# Allegro board 038RT-9068CJK8E-A100_0921_1.brd (continued)
## Routing (per net, layer and track width the routed paths; a pad name or vN(x,y) marks a point on that pad's centre or on a via; arc(x,y) is an arc through that point) (continued)
S3_P5_HSI-: length 155.9
  L07_SIGNAL w0.1: v1(546.6,252.58) 546.68,252.66 arc(546.76,252.71) 546.84,252.73 547.07,252.73 arc(547.4,252.87) 547.54,253.19 547.54,255.75 arc(547.5,255.94) 547.39,256.11 545.1,258.39 arc(544.7,258.66) 544.23,258.75 495.28,258.75 arc(494.63,258.88) 494.08,259.25 492.91,260.42 arc(492.28,260.84) 491.53,260.99 483.24,260.99 arc(482.59,261.12) 482.03,261.49 478.22,265.31 arc(477.71,265.64) 477.12,265.76 443.72,265.76 arc(442.75,265.57) 441.94,265.03 437.49,260.57 arc(437.34,260.48) 437.18,260.44 427.12,260.44 arc(426.92,260.41) 426.76,260.3 424.35,257.89 arc(424.31,257.86) 424.25,257.85 409.9,257.85 arc(409.85,257.86) 409.81,257.89 409.51,258.18 arc(409.49,258.22) 409.48,258.26 409.48,258.41 arc(409.48,258.41) 409.48,258.41 arc(409.49,258.48) 409.53,258.53 409.6,258.6
  L07_SIGNAL w0.102: 409.6,258.6 409.65,258.66 arc(409.69,258.71) 409.7,258.76 409.7,259.21 arc(409.66,259.4) 409.55,259.57 v4(409.3,259.82)
  BOTTOM w0.105: UNK3K184.11 551.57,252.68 546.7,252.68 v1(546.6,252.58)
S3_P5_HSO+: length 173.3
  L05_SIGNAL w0.1: v1(548.19,255.24) 548.27,255.16 arc(548.35,255.11) 548.44,255.09 549.35,255.09 arc(549.4,255.1) 549.45,255.14 551.03,256.71 arc(551.12,256.86) 551.16,257.04 551.16,257.93 arc(551.08,258.33) 550.86,258.66 550.71,258.81 arc(550.48,258.96) 550.2,259.02 546.55,259.02 arc(546.44,259) 546.35,258.94 546.34,258.92 arc(546.22,258.85) 546.09,258.82 546,258.82 arc(545.86,258.85) 545.75,258.92 545.73,258.94 arc(545.64,259) 545.53,259.02 545.35,259.02 arc(545.24,259) 545.15,258.94 545.13,258.92 arc(545.03,258.85) 544.9,258.83 544.78,258.83 arc(544.65,258.85) 544.55,258.92 544.53,258.94 arc(544.44,259) 544.33,259.02 544.15,259.02 arc(544.04,259) 543.95,258.94 543.93,258.92 arc(543.82,258.85) 543.69,258.82 543.59,258.82 arc(543.46,258.85) 543.35,258.92 543.33,258.94 arc(543.24,259) 543.13,259.02 542.95,259.02 arc(542.84,259) 542.75,258.94 542.73,258.92 arc(542.6,258.83) 542.44,258.8 542.44,258.8 arc(542.28,258.83) 542.15,258.92 542.13,258.94 arc(542.04,259) 541.93,259.02 541.75,259.02 arc(541.64,259) 541.55,258.94 541.53,258.92 arc(541.41,258.84) 541.28,258.82 541.2,258.82 arc(541.06,258.84) 540.94,258.92 540.93,258.94 arc(540.84,259) 540.73,259.02 536.08,259.02 arc(534.25,258.65) 532.7,257.62 529.02,253.94 525.57,250.49 arc(524.53,248.94) 524.17,247.12 524.17,241.67 arc(523.95,240.55) 523.32,239.61 522.6,238.89 arc(521.12,237.9) 519.37,237.55 449.12,237.55 arc(447.49,237.88) 446.11,238.8 427.75,257.16 arc(427.36,257.42) 426.9,257.51 410.72,257.51 arc(410.44,257.57) 410.21,257.72 409.75,258.19 409.69,258.24 arc(409.57,258.41) 409.52,258.6
  L05_SIGNAL w0.102: v4(409.3,259.02) 409.42,258.9 arc(409.49,258.79) 409.51,258.66 arc(409.52,258.63) 409.52,258.6
  BOTTOM w0.105: v1(548.19,255.24) 548.29,255.14 551.57,255.14 UNK3K184.16
S3_P5_HSO-: length 173.3
  L05_SIGNAL w0.1: v1(548.19,254.58) 548.27,254.66 arc(548.35,254.71) 548.44,254.73 549.35,254.73 arc(549.54,254.77) 549.71,254.88 551.28,256.45 arc(551.46,256.72) 551.52,257.04 551.52,257.93 arc(551.42,258.46) 551.11,258.92 550.97,259.06 arc(550.61,259.3) 550.2,259.38 536.08,259.38 arc(534.11,258.99) 532.44,257.87 528.87,254.31 528.87,254.31 525.31,250.74 arc(524.2,249.08) 523.81,247.12 523.81,241.67 arc(523.62,240.69) 523.06,239.87 522.35,239.15 arc(520.98,238.24) 519.37,237.92 449.12,237.92 arc(447.63,238.21) 446.37,239.05 428.01,257.41 arc(427.5,257.76) 426.9,257.88 410.72,257.88 arc(410.58,257.9) 410.46,257.98 410,258.44 409.95,258.5 arc(409.91,258.55) 409.89,258.6
  L05_SIGNAL w0.102: v4(410.1,259.02) 409.92,258.85 arc(409.89,258.8) 409.88,258.74 409.88,258.66 arc(409.88,258.63) 409.89,258.6
  BOTTOM w0.105: v1(548.19,254.58) 548.29,254.68 551.57,254.68 UNK3K184.15
S3_P5_LDOOUT:
  vias: v1(406.9,266.22) v1(406.9,265.42)
S3_P5_LED: length 23.4
  L05_SIGNAL w0.102: v1(409.3,265.42) 409.7,265.02 412.92,265.02
  L05_SIGNAL w0.105: 412.92,265.02 431.03,265.02 v1(432.06,263.99)
S3_P5_MDI+: length 29.7
  TOP w0.105: 379.12,271.94 381.94,271.94 383.49,273.49 383.49,276.29 384.28,277.08 399.12,277.08 401.13,275.07 401.13,273.59 SITE3.A5
  TOP w0.115: UNK3K130.3 379.01,272.05 379.12,271.94
S3_P5_MDI-: length 29.7
  TOP w0.105: 379.12,271.48 382.14,271.48 383.95,273.3 383.95,273.84 384.08,273.97 384.17,273.97 384.29,274.09 384.29,274.26 384.17,274.39 384.08,274.39 383.95,274.51 383.95,274.68 384.08,274.81 384.17,274.81 384.29,274.93 384.29,275.1 384.17,275.23 384.08,275.23 383.95,275.35 383.95,276.09 384.47,276.61 398.93,276.61 400.66,274.87 400.66,273.59 SITE3.A4
  TOP w0.115: 379.12,271.48 379.01,271.37 UNK3K130.6
S3_P5_RXC: length 41.6
  L07_SIGNAL w0.102: v1(412.5,268.62) 412.92,268.62
  L07_SIGNAL w0.105: 412.92,268.62 415.1,268.62 417.51,271.03 423.09,271.03 429.49,277.43 437.07,277.43 437.88,278.24 437.88,280.82 437.22,281.49 435.63,281.49 434.44,282.67 434.44,284.97 v1(436.21,286.73)
  BOTTOM w0.115: UNK3RR924.1 v1(436.21,286.73) UNK3RR934.1
S3_P5_RXD0: length 173.1
  L11_SIGNAL w0.102: v1(412.5,271.02) 412.92,271.02
  L11_SIGNAL w0.105: 412.92,271.02 413.43,271.02 414.29,271.88 425.6,271.88 427.29,273.57 437.73,273.57 438.12,273.19 443.5,273.19 443.88,272.81 476.18,272.81 482.37,266.62 485.06,266.62 488.1,263.58 493.2,263.58 493.39,263.4 498.33,258.46 550.84,258.46 552.09,257.21 555.08,257.21 559.5,252.79 574.13,252.79 v1(574.97,251.96)
  BOTTOM w0.115: UNK3RR930.1 v1(574.97,251.96) UNK3RR920.1
S3_P5_RXD1: length 32.1
  L07_SIGNAL w0.102: v1(411.7,270.22) 412.1,269.82 412.92,269.82
  L07_SIGNAL w0.105: 412.92,269.82 413.15,269.59 415.28,269.59 417.34,271.65 422.76,271.65 429.1,277.98 436.49,277.98 436.72,278.21 436.72,280.12 v1(436.21,280.64)
  BOTTOM w0.115: UNK3RR921.1 v1(436.21,280.64) UNK3RR931.1
S3_P5_RXD2: length 28.3
  L07_SIGNAL w0.102: 412.79,270.48 412.76,270.48 v1(412.5,270.22)
  L07_SIGNAL w0.105: v1(436.21,278.61) 435.61,279.2 429.25,279.2 422.27,272.22 416.24,272.22 414.51,270.48 412.79,270.48
  BOTTOM w0.115: UNK3RR932.1 v1(436.21,278.61) UNK3RR922.1
S3_P5_RXD3: length 36.3
  L15_SIGNAL w0.102: v1(411.7,269.42) 411.3,269.82 411.3,273.84
  L15_SIGNAL w0.105: v1(436.21,288.77) 435.43,287.99 433.47,287.99 421.47,275.99 413.4,275.99 411.3,273.89 411.3,273.84
  BOTTOM w0.115: UNK3RR923.1 v1(436.21,288.77) UNK3RR933.1
S3_P5_RXDV: length 34.9
  L15_SIGNAL w0.102: v1(412.5,269.42) 412.92,269.84
  L15_SIGNAL w0.105: 412.92,269.84 413.72,270.65 418.51,275.43 421.84,275.43 425.49,279.07 431.48,279.07 433.62,281.21 433.62,282.36 434.6,283.35 439.34,283.35 v1(440.02,282.67)
  BOTTOM w0.115: UNK3RR935.1 v1(440.02,282.67) UNK3RR925.1
S3_P5_TXC: length 216.3
  L11_SIGNAL w0.102: v1(411.7,267.02) 412.1,267.42 412.1,268.1 412.22,268.22 412.89,268.22 412.92,268.24
  L11_SIGNAL w0.105: 412.92,268.24 415.82,271.15 425.98,271.15 427.68,272.85 437.48,272.85 438.44,271.89 443.46,271.89 444.33,271.02 476.73,271.02 482.11,265.64 484.91,265.64 487.71,262.84 493.16,262.84 500.43,255.57 546.31,255.57 547.9,257.16 550.58,257.16 551.35,256.39 554.83,256.39 558.99,252.23 568.97,252.23 576.1,245.1 587.2,245.1 590.43,248.33 601.77,248.33 605.65,244.46 605.65,242.71 v1(606.65,241.7)
  BOTTOM w0.115: UNK3RR914.1 v1(606.65,241.7) UNK3RR904.1
S3_P5_TXD0: length 204.5
  L11_SIGNAL w0.102: v1(411.7,266.22) 412.1,266.62 412.83,266.62 412.9,266.7 412.92,266.7
  L11_SIGNAL w0.105: 412.92,266.7 413.85,266.7 416.83,269.68 475.5,269.68 482.33,262.85 485.57,262.85 488.04,260.38 490.35,260.38 496.27,254.46 537.98,254.46 546.18,246.26 572.57,246.26 574.94,243.89 600.4,243.89 v1(602.59,241.7)
  BOTTOM w0.115: UNK3RR910.1 v1(602.59,241.7) UNK3RR900.1
S3_P5_TXD1: length 199.5
  L11_SIGNAL w0.105: v1(600.56,241.7) 599,243.26 564.36,243.26 563.69,243.93 559.06,243.93 557.78,245.21 546.38,245.21 537.7,253.9 493.48,253.9 486.04,261.34 482.4,261.34 477.62,266.12 438.56,266.12 437.74,266.95 415.38,266.95 414.54,266.11 412.61,266.11 v1(412.5,266.22)
  BOTTOM w0.115: UNK3RR901.1 v1(600.56,241.7) UNK3RR911.1
S3_P5_TXD2: length 184.6
  L11_SIGNAL w0.102: v1(411.7,265.42) 412.1,265.02 412.74,265.02 412.78,264.98 412.92,264.98
  L11_SIGNAL w0.105: 412.92,264.98 413.1,264.79 427.8,264.79 428.03,265.01 476.33,265.01 481.22,260.12 485.54,260.12 492.87,252.79 534.39,252.79 543.16,244.02 556.04,244.02 560.07,239.99 582.59,239.99 v1(584.3,241.7)
  BOTTOM w0.115: UNK3RR902.1 v1(584.3,241.7) UNK3RR912.1
S3_P5_TXD3: length 197.6
  L11_SIGNAL w0.105: v1(598.53,241.7) 598.06,242.17 583.09,242.17 582.49,241.57 559.35,241.57 556.28,244.65 543.32,244.65 534.62,253.35 493.25,253.35 491.79,254.81 491.79,254.81 485.81,260.79 481.34,260.79 476.56,265.57 428.88,265.57 428.21,266.24 415.48,266.24 414.79,265.54 412.62,265.54 v1(412.5,265.42)
  BOTTOM w0.115: UNK3RR913.1 v1(598.53,241.7) UNK3RR903.1
S3_P5_TXEN: length 209.3
  L11_SIGNAL w0.102: v1(412.5,267.02) 412.75,267.27 412.92,267.27
  L11_SIGNAL w0.105: v1(604.62,241.7) 603.78,242.55 603.78,244.02 601.8,245.99 588.87,245.99 587.37,244.48 575.13,244.48 571.27,248.35 560.96,248.35 559.42,246.81 546.43,246.81 538.24,255.01 500.2,255.01 494.17,261.04 488.44,261.04 485.86,263.63 482.42,263.63 475.78,270.27 416.64,270.27 413.64,267.27 412.92,267.27
  BOTTOM w0.115: UNK3RR905.1 v1(604.62,241.7) UNK3RR915.1
S3_P5_VDDIO:
  vias: v1(411.7,271.02) v1(411.7,267.82) v1(412.5,267.82) v1(418.28,267.59) v1(418.92,267.59)
S3_P6_CLKREQB: length 332.8
  L46_SIGNAL w0.145: v1(398.1,260.62) 397.62,260.14 383.76,260.14 383.15,259.53 346.68,259.53 344.86,261.35 344.86,300.4 374.03,329.57 374.03,386.71 400.07,412.76 480.54,412.76 485.89,418.11 485.89,422.49 487.16,423.76 492.53,423.76 493.21,423.08 493.21,421.74 UNK3K211.3
S3_P6_HSI+: length 46.4
  L03_SIGNAL w0.185: v4(402.1,259.02) 401.99,258.92 arc(401.94,258.83) 401.91,258.73 401.91,258.06 arc(402.44,256.79) 403.72,256.26 407.73,256.26 arc(407.97,256.21) 408.18,256.07 408.18,256.07 arc(408.24,256.03) 408.32,256.01 423.22,256.01 arc(423.35,256.04) 423.46,256.11 423.48,256.14 arc(423.62,256.23) 423.79,256.27 423.88,256.27 arc(424.05,256.23) 424.2,256.14 424.22,256.11 arc(424.33,256.04) 424.45,256.01 425.4,256.01 arc(425.98,255.9) 426.46,255.58 426.81,255.22 arc(426.92,255.15) 427.05,255.13 427.08,255.13 arc(427.24,255.1) 427.37,255.01 427.47,254.91 arc(427.56,254.78) 427.59,254.62 427.59,254.59 arc(427.61,254.46) 427.68,254.35 427.86,254.18 arc(427.97,254.11) 428.09,254.08 428.13,254.08 arc(428.28,254.05) 428.41,253.96 428.52,253.86 arc(428.6,253.73) 428.63,253.58 428.63,253.54 arc(428.66,253.41) 428.73,253.31 428.91,253.13 arc(429.01,253.06) 429.14,253.03 429.18,253.03 arc(429.35,253) 429.49,252.9 429.55,252.85 arc(429.65,252.7) 429.68,252.53 429.68,252.49 arc(429.71,252.37) 429.78,252.26 430.05,251.98 arc(430.47,251.7) 430.97,251.61 434.81,251.61 arc(434.93,251.63) 435.04,251.7 435.06,251.73 arc(435.21,251.82) 435.38,251.86 435.47,251.86 arc(435.64,251.82) 435.78,251.73 435.8,251.7 arc(435.91,251.63) 436.04,251.61 437.86,251.61 arc(437.99,251.63) 438.11,251.71 438.25,251.85 arc(438.51,252.02) 438.81,252.08 439.97,252.08
  L03_SIGNAL w0.2: 439.97,252.08 v1(440.08,252.2)
  BOTTOM w0.14: UNK3K213.7 443.42,252.06 440.22,252.06 v1(440.08,252.2)
S3_P6_HSI-: length 46.3
  L03_SIGNAL w0.185: 439.97,251.65 438.81,251.65 arc(438.67,251.62) 438.56,251.55 438.41,251.4 arc(438.16,251.23) 437.86,251.17 430.97,251.17 arc(430.31,251.3) 429.75,251.68 426.15,255.27 arc(425.81,255.5) 425.4,255.58 423.22,255.58 arc(423.22,255.58) 423.22,255.58 408.32,255.58 arc(408.08,255.63) 407.88,255.76 407.88,255.76 arc(407.81,255.81) 407.73,255.82 403.72,255.82 arc(402.14,256.48) 401.48,258.06 401.48,258.73 arc(401.46,258.83) 401.4,258.92 v4(401.3,259.02)
  L03_SIGNAL w0.2: 439.97,251.65 v1(440.08,251.54)
  BOTTOM w0.14: UNK3K213.6 443.42,251.67 440.22,251.67 v1(440.08,251.54)
S3_P6_HSO+: length 48.6
  TOP w0.14: v1(441.6,249.54) arc(441.46,249.64) 441.28,249.67 437.73,249.67 arc(436.34,249.95) 435.17,250.73 432.13,253.77 arc(431.72,254.05) 431.23,254.14 424.09,254.14 arc(423.75,254.21) 423.45,254.41 422.22,255.64 arc(422.16,255.68) 422.07,255.7 414.56,255.7 arc(414.36,255.74) 414.19,255.85 arc(414.14,255.88) 414.08,255.9 401.22,255.9 arc(400.29,256.28) 399.9,257.22 399.9,258.53 arc(399.85,258.79) SITE3.W3
  BOTTOM w0.14: UNK3K213.2 443.42,249.67 441.74,249.67 v1(441.6,249.54)
S3_P6_HSO-: length 48.6
  TOP w0.14: v1(441.6,250.2) arc(441.45,250.1) 441.28,250.06 437.73,250.06 arc(436.49,250.31) 435.44,251.01 432.41,254.05 arc(431.87,254.41) 431.23,254.53 430.78,254.53 arc(430.67,254.56) 430.57,254.62 430.55,254.64 arc(430.46,254.7) 430.36,254.72 430.2,254.72 arc(430.1,254.7) 430.01,254.64 429.99,254.62 arc(429.89,254.56) 429.78,254.53 429.66,254.53 arc(429.55,254.56) 429.45,254.62 429.43,254.64 arc(429.35,254.69) 429.26,254.71 429.06,254.71 arc(428.97,254.69) 428.89,254.64 428.87,254.62 arc(428.77,254.56) 428.66,254.53 428.54,254.53 arc(428.43,254.56) 428.33,254.62 428.31,254.64 arc(428.23,254.69) 428.15,254.71 427.93,254.71 arc(427.84,254.69) 427.77,254.64 427.75,254.62 arc(427.65,254.56) 427.54,254.53 427.42,254.53 arc(427.31,254.56) 427.21,254.62 427.19,254.64 arc(427.12,254.69) 427.03,254.71 426.81,254.71 arc(426.72,254.69) 426.65,254.64 426.63,254.62 arc(426.53,254.56) 426.42,254.53 426.3,254.53 arc(426.19,254.56) 426.09,254.62 426.07,254.64 arc(425.99,254.69) 425.9,254.71 425.7,254.71 arc(425.61,254.69) 425.53,254.64 425.51,254.62 arc(425.41,254.56) 425.3,254.53 425.18,254.53 arc(425.07,254.56) 424.97,254.62 424.95,254.64 arc(424.86,254.7) 424.75,254.72 424.61,254.72 arc(424.5,254.7) 424.41,254.64 424.39,254.62 arc(424.29,254.56) 424.18,254.53 424.09,254.53 arc(423.89,254.57) 423.73,254.68 422.5,255.91 arc(422.3,256.04) 422.07,256.09 414.56,256.09 arc(414.51,256.1) 414.46,256.13 arc(414.29,256.24) 414.08,256.29 401.22,256.29 arc(400.56,256.56) 400.29,257.22 400.29,258.53 arc(400.35,258.79) SITE3.W4
  BOTTOM w0.14: v1(441.6,250.2) 441.74,250.06 443.42,250.06 UNK3K213.3
S3_P6_ISOLATEB: length 270.7
  L46_SIGNAL w0.102: v1(398.9,260.62) 399.3,260.22 399.3,258.6
  L46_SIGNAL w0.145: UNK3K220.3 420.63,414.23 399.1,414.23 372.26,387.4 372.26,330.31 343.09,301.13 343.09,257.72 345.73,255.08 379.72,255.08 382.72,258.08 398.98,258.08 399.3,258.39 399.3,258.6
S3_P6_LANWAKEB: length 320
  L46_SIGNAL w0.102: v1(398.9,261.42) 398.5,261.82 397.68,261.82
  L46_SIGNAL w0.145: 397.68,261.82 396.26,261.82 395.59,261.15 383.17,261.15 382.43,260.4 347.51,260.4 346.05,261.86 346.05,299.91 375.22,329.08 375.22,386.22 400.57,411.56 483.27,411.56 487.3,415.6 487.3,418.89 UNK3K212.3
S3_P6_LED: length 24.1
  L05_SIGNAL w0.102: 412.92,264.22 409.7,264.22 v1(409.3,264.62)
  L05_SIGNAL w0.105: v1(432.06,261.45) 430.69,262.82 422.8,262.82 421.4,264.22 412.92,264.22
S3_P6_MDI+: length 69.5
  L03_SIGNAL w0.136: v1(402.1,272.62) 401.54,273.17 401.54,276.15 400.6,277.09 383.25,277.09 382.17,276.01 346.78,276.01 345.8,275.02 345.8,272.01 346.33,271.48 349.86,271.48 350,271.35 UNK3K140.3
S3_P6_MDI-: length 69.5
  L03_SIGNAL w0.136: UNK3K140.6 350,272.07 349.86,271.93 346.52,271.93 346.25,272.2 346.25,274.84 346.97,275.55 382.35,275.55 383.44,276.64 389.34,276.64 389.5,276.48 389.5,276.22 389.66,276.06 389.88,276.06 390.04,276.22 390.04,276.48 390.2,276.64 390.43,276.64 390.59,276.48 390.59,276.22 390.75,276.06 390.97,276.06 391.13,276.22 391.13,276.48 391.29,276.64 391.51,276.64 391.67,276.48 391.67,276.22 391.83,276.06 392.06,276.06 392.22,276.22 392.22,276.48 392.38,276.64 400.42,276.64 401.09,275.97 401.09,272.83 v1(401.3,272.62)
S3_P6_PCIE_RESETB: length 268
  L46_SIGNAL w0.145: v1(398.1,259.82) 397.62,259.34 384.09,259.34 383.48,258.73 346.34,258.73 344.23,260.85 344.23,300.66 373.4,329.83 373.4,386.97 399.89,413.46 428.64,413.46 431.33,416.16 431.33,418.72 UNK3K221.3
S3_P6_REFCLK+: length 87.8
  L07_SIGNAL w0.1: v1(398.9,259.82) 398.5,259.42 398.5,258.72 398.72,258.5 398.72,256.61 402.67,252.65 402.67,243.58 407.52,238.74 451.99,238.74 462.94,249.69 463.92,249.69 v1(464.07,249.54)
  BOTTOM w0.105: UNK3K214.2 465.63,249.67 464.21,249.67 v1(464.07,249.54)
S3_P6_REFCLK-: length 87.8
  L07_SIGNAL w0.1: v1(399.7,259.82) 399.3,259.42 399.3,258.72 399.08,258.5 399.08,256.76 403.03,252.8 403.03,243.74 407.67,239.1 451.84,239.1 459.43,246.68 459.43,246.94 459.58,247.09 459.75,247.09 459.84,247.09 459.99,247.25 459.99,247.5 460.15,247.66 460.31,247.66 460.4,247.66 460.56,247.81 460.56,248.07 460.71,248.23 460.88,248.23 460.97,248.23 461.12,248.38 461.12,248.64 461.28,248.79 461.44,248.79 461.54,248.79 462.79,250.05 463.92,250.05 v1(464.07,250.2)
  BOTTOM w0.105: UNK3K214.3 465.63,250.06 464.21,250.06 v1(464.07,250.2)
S3_P7_CLKREQB: length 321.5
  L46_SIGNAL w0.102: 397.68,263.42 400.76,263.42 400.9,263.28 400.9,262.62 v1(401.3,262.22)
  L46_SIGNAL w0.145: 397.68,263.42 396.39,263.42 395.43,264.37 385.17,264.37 381.18,268.36 354.81,268.36 353.73,269.44 353.73,274.33 352.64,275.43 350.68,275.43 347.31,278.8 347.31,299.39 376.48,328.56 376.48,385.7 401.09,410.3 492.59,410.3 496.5,414.21 496.5,418.68 UNK3K211.6
S3_P7_HSI+: length 39.9
  L03_SIGNAL w0.185: 439.81,256.58 431.03,256.58 arc(430.43,256.71) 429.91,257.05 429.41,257.55 arc(429.1,257.75) 428.73,257.83 428,257.83 arc(427.87,257.85) 427.75,257.93 427.72,257.96 arc(427.58,258.05) 427.41,258.09 427.32,258.09 arc(427.15,258.05) 427.01,257.96 426.98,257.93 arc(426.75,257.84) 426.52,257.93 426.49,257.96 arc(426.35,258.05) 426.18,258.09 426.09,258.09 arc(425.92,258.05) 425.78,257.96 425.75,257.93 arc(425.52,257.84) 425.29,257.93 425.27,257.96 arc(425.12,258.05) 424.95,258.09 424.86,258.09 arc(424.7,258.05) 424.55,257.96 424.53,257.93 arc(424.29,257.84) 424.06,257.93 424.05,257.94 arc(423.9,258.05) 423.72,258.08 423.63,258.08 arc(423.46,258.05) 423.31,257.95 423.3,257.93 arc(423.07,257.84) 422.84,257.93 422.82,257.94 arc(422.67,258.05) 422.49,258.08 422.4,258.08 arc(422.23,258.05) 422.08,257.95 422.07,257.93 arc(421.95,257.86) 421.81,257.83 406.3,257.83 arc(406.03,257.94) 405.91,258.21 405.91,258.58 arc(405.96,258.82) v4(406.1,259.02)
  L03_SIGNAL w0.2: v1(440.08,256.7) arc(439.96,256.61) 439.81,256.58
  BOTTOM w0.14: UNK3K213.16 443.42,256.56 440.22,256.56 v1(440.08,256.7)
S3_P7_HSI-: length 39.8
  L03_SIGNAL w0.185: 439.81,256.15 431.03,256.15 arc(430.26,256.3) 429.6,256.74 429.11,257.24 arc(428.94,257.35) 428.73,257.39 406.3,257.39 arc(405.72,257.63) 405.48,258.21 405.48,258.58 arc(405.43,258.82) v4(405.3,259.02)
  L03_SIGNAL w0.2: 439.81,256.15 arc(439.96,256.12) v1(440.08,256.04)
  BOTTOM w0.14: UNK3K213.15 443.42,256.17 440.22,256.17 v1(440.08,256.04)
S3_P7_HSO+: length 42.2
  TOP w0.14: SITE3.W8 arc(403.87,258.77) 403.93,258.47 403.93,258.06 arc(404.18,257.68) 404.62,257.53 423.92,257.53 arc(424.04,257.5) 424.14,257.44 424.97,256.61 arc(425.19,256.46) 425.46,256.41 434.01,256.41 arc(434.24,256.36) 434.43,256.24 436.01,254.66 arc(436.54,254.3) 437.18,254.17 437.73,254.17 arc(437.91,254.14) v1(438.06,254.04)
  BOTTOM w0.14: v1(438.06,254.04) 438.19,254.17 443.42,254.17 UNK3K213.11
S3_P7_HSO-: length 42.2
  TOP w0.14: SITE3.W9 arc(404.35,258.8) 404.3,258.55 404.3,258.16 arc(404.42,257.98) 404.62,257.92 423.92,257.92 arc(424.19,257.86) 424.42,257.71 425.24,256.89 arc(425.34,256.82) 425.46,256.8 426.46,256.8 arc(426.58,256.82) 426.68,256.89 426.7,256.91 arc(426.78,256.96) 426.88,256.98 427.05,256.98 arc(427.15,256.96) 427.24,256.91 427.26,256.89 arc(427.35,256.82) 427.47,256.8 427.58,256.8 arc(427.7,256.82) 427.8,256.89 427.82,256.91 arc(427.89,256.95) 427.97,256.97 428.2,256.97 arc(428.28,256.95) 428.36,256.91 428.38,256.89 arc(428.47,256.82) 428.59,256.8 428.7,256.8 arc(428.82,256.82) 428.92,256.89 428.93,256.91 arc(429.02,256.96) 429.11,256.98 429.3,256.98 arc(429.39,256.96) 429.48,256.91 429.49,256.89 arc(429.59,256.82) 429.71,256.8 429.82,256.8 arc(429.94,256.82) 430.03,256.89 430.05,256.91 arc(430.13,256.96) 430.23,256.98 430.42,256.98 arc(430.52,256.96) 430.59,256.91 430.61,256.89 arc(430.71,256.82) 430.83,256.8 430.94,256.8 arc(431.06,256.82) 431.15,256.89 431.17,256.91 arc(431.24,256.95) 431.33,256.97 431.56,256.97 arc(431.64,256.95) 431.71,256.91 431.73,256.89 arc(431.83,256.82) 431.95,256.8 432.06,256.8 arc(432.18,256.82) 432.27,256.89 432.29,256.91 arc(432.39,256.97) 432.51,256.99 432.62,256.99 arc(432.74,256.97) 432.83,256.91 432.85,256.89 arc(432.95,256.82) 433.07,256.8 434.01,256.8 arc(434.39,256.72) 434.7,256.51 436.28,254.93 arc(436.69,254.66) 437.18,254.56 437.73,254.56 arc(437.91,254.6) v1(438.06,254.7)
  BOTTOM w0.14: v1(438.06,254.7) 438.19,254.56 443.42,254.56 UNK3K213.12
S3_P7_ISOLATEB: length 284.7
  L46_SIGNAL w0.102: 400.1,258.6 400.1,261.02 v1(400.5,261.42)
  L46_SIGNAL w0.145: 400.1,258.6 400.1,258.06 399.31,257.28 383.06,257.28 380.05,254.28 345.4,254.28 341.15,258.53 341.15,277.29 342.46,278.59 342.46,301.4 371.63,330.57 371.63,387.66 399.1,415.14 419.88,415.14 424.43,419.69 424.43,422.57 425.55,423.69 427.84,423.69 428.42,423.11 428.42,421.51 UNK3K220.6
S3_P7_LANWAKEB: length 323.4
  L46_SIGNAL w0.102: v1(400.5,262.22) 400.1,262.62 397.68,262.62
  L46_SIGNAL w0.145: 397.68,262.62 383.16,262.62 381.72,261.17 347.6,261.17 346.68,262.09 346.68,299.65 375.85,328.82 375.85,385.96 400.82,410.94 486.6,410.94 490.22,414.55 490.22,418.61 UNK3K212.6
S3_P7_PCIE_RESETB: length 294.9
  L46_SIGNAL w0.102: 400.9,258.6 400.9,261.02 v1(401.3,261.42)
  L46_SIGNAL w0.145: 400.9,258.6 400.9,257.73 399.64,256.48 383.39,256.48 380.38,253.48 345.07,253.48 340.54,258.01 340.54,277.54 341.84,278.85 341.84,301.65 371.01,330.82 371.01,387.92 399.01,415.92 419.54,415.92 423.15,419.53 423.15,422.84 424.69,424.37 433.08,424.37 434.62,422.84 434.62,421.52 UNK3K221.6
S3_P7_REFCLK+: length 78.1
  L07_SIGNAL w0.1: v1(402.1,259.82) 401.7,259.42 401.7,258.7 401.91,258.48 401.91,258.02 404.08,255.85 406.35,255.85 407.98,254.22 407.98,249.51 410.18,247.32 412.33,247.32 414.08,245.57 417.38,245.57 419.38,243.57 449.03,243.57 453.33,247.88 457.35,247.88 461.16,251.69 462.15,251.69 v1(462.29,251.54)
  BOTTOM w0.105: UNK3K214.6 465.63,251.67 462.43,251.67 v1(462.29,251.54)
S3_P7_REFCLK-: length 78.1
  L07_SIGNAL w0.1: v1(462.29,252.2) 462.15,252.05 461.01,252.05 460,251.04 459.59,251.04 459.49,250.93 459.49,250.56 459.39,250.46 459.07,250.46 458.96,250.36 458.96,250 458.86,249.9 458.51,249.9 458.39,249.78 458.39,249.44 457.2,248.24 453.18,248.24 448.88,243.93 419.53,243.93 417.53,245.93 414.23,245.93 412.48,247.68 410.33,247.68 408.35,249.66 408.35,254.37 406.5,256.21 404.23,256.21 402.28,258.17 402.28,258.47 402.5,258.69 402.5,259.42 v1(402.9,259.82)
  BOTTOM w0.105: UNK3K214.7 465.68,252.11 465.66,252.11 465.63,252.14 462.35,252.14 v1(462.29,252.2)
S3_PGATE:
  vias: v1(401.3,267.82)
S3_R_P0_RXC: length 5
  BOTTOM w0.115: UNK3RR410.2 523.67,268.82 520.49,268.82 UNK3K233.3
S3_R_P0_RXD0: length 5.1
  BOTTOM w0.115: UNK3RR413.2 523.61,261.61 520.55,261.61 UNK3K182.6
S3_R_P0_RXD1: length 5.1
  BOTTOM w0.115: UNK3K231.6 504.79,267.81 507.85,267.81 UNK3RR407.2
S3_R_P0_RXD2: length 5.1
  BOTTOM w0.115: UNK3K233.6 520.55,267.81 523.61,267.81 UNK3RR411.2
S3_R_P0_RXD3: length 5
  BOTTOM w0.115: UNK3RR408.2 523.67,275.03 520.49,275.03 UNK3K232.3
S3_R_P0_RXDV: length 5.1
  BOTTOM w0.115: UNK3K232.6 520.55,274.02 523.61,274.02 UNK3RR409.2
S3_R_P0_RXER: length 5.1
  BOTTOM w0.115: UNK3K183.6 504.79,261.61 507.85,261.61 UNK3RR406.2
S3_R_P0_TXC: length 5.1
  BOTTOM w0.115: UNK3K181.6 504.79,274.02 507.85,274.02 UNK3RR404.2
S3_R_P0_TXD0: length 5.1
  BOTTOM w0.115: UNK3RR400.2 492.09,274.02 489.03,274.02 UNK3K180.6
S3_R_P0_TXD1: length 5
  BOTTOM w0.115: UNK3RR401.2 507.91,275.03 504.73,275.03 UNK3K181.3
S3_R_P0_TXD2: length 5
  BOTTOM w0.115: UNK3RR402.2 523.67,262.61 520.49,262.61 UNK3K182.3
S3_R_P0_TXD3: length 5
  BOTTOM w0.115: UNK3RR403.2 507.91,262.61 504.73,262.61 UNK3K183.3
S3_R_P0_TXEN: length 5
  BOTTOM w0.115: UNK3RR405.2 492.15,275.03 488.97,275.03 UNK3K180.3
S3_RESETB: length 55.2
  L07_SIGNAL w0.105: v1(345.31,262.97) 349,259.28 395.96,259.28 v1(398.1,261.42)
S3_RTT: length 31
  L03_SIGNAL w0.102: 406.5,273.06 406.5,271.42 v1(406.1,271.02)
  L03_SIGNAL w0.145: 406.5,273.06 407.41,273.98 425.12,273.98 427.36,276.21 432.01,276.21 v2(432.66,276.86)
  BOTTOM w0.115: UNK3R434.1 v2(432.66,276.86)
S3_SEL1_K145: length 9.1
  BOTTOM w0.203: UNK3RU12.1 667.38,275.85 667.38,279.63 667.22,279.79 UNK3RU11.2 UNK3RL15.1 665.36,279.79 664.2,278.63 UNK3K145.8
S3_SEL2_K145: length 3.2
  BOTTOM w0.203: UNK3K145.17 666.66,274.13 UNK3RU12.2
S3_SEL2_K217: length 3.2
  BOTTOM w0.115: UNK3RL38.1 550.08,272.76 551.03,271.82 UNK3K217.17
S3_SPI_CSB: length 25.7
  L03_SIGNAL w0.102: v1(410.1,265.42) 410.5,265.02 412.92,265.02
  L03_SIGNAL w0.145: 412.92,265.02 434.2,265.02 v1(435.24,263.99)
S3_SPI_SCK: length 26.9
  L03_SIGNAL w0.102: 412.92,262.62 410.5,262.62 v1(410.1,263.02)
  L03_SIGNAL w0.145: 412.92,262.62 413.01,262.71 414.78,262.71 417.1,260.39 433.75,260.39 v1(435.24,258.91)
S3_SPI_SI: length 20.2
  L03_SIGNAL w0.102: 412.92,261.82 410.5,261.82 v1(410.1,262.22)